# KiCad board SevenSegment.kicad_pcb (continued)
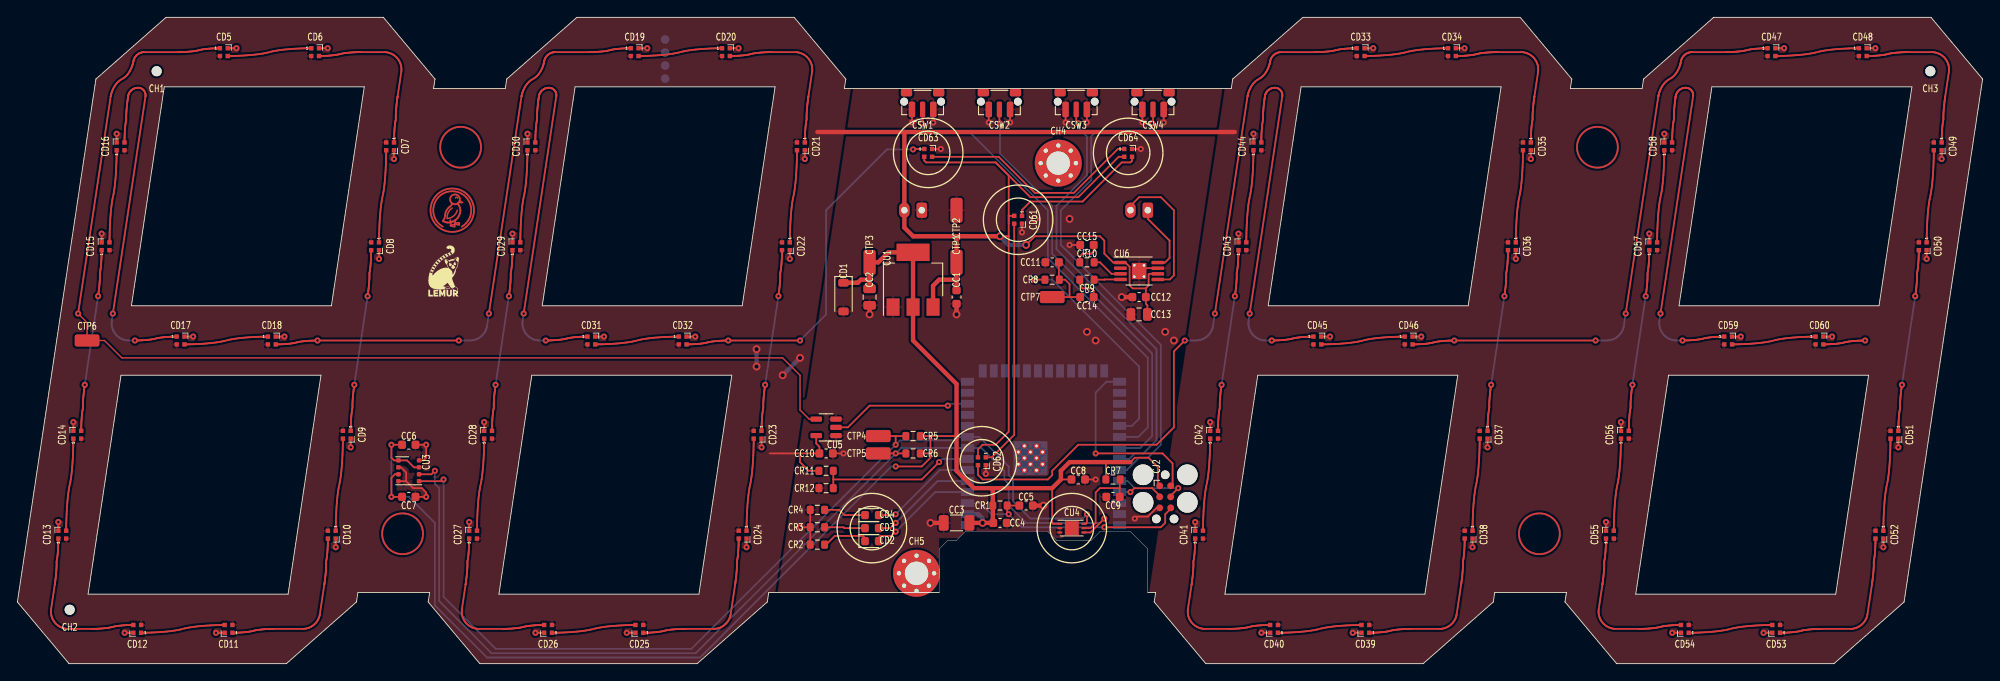
[diagram p0: board, top side]
## Footprints (pads in the part's own frame, mm; a bottom-side part is the same pattern mirrored in y, then rotated)
Bosch_LGA-8_3x3mm_P0.8mm_ClockwisePinNumbering
  rrect 0.5x0.525 smd: 1(-1.2,1.188) 2(-0.4,1.188) 3(0.4,1.188) 4(1.2,1.188) 5(1.2,-1.188) 6(0.4,-1.188) 7(-0.4,-1.188) 8(-1.2,-1.188)
C_0603_1608Metric
  rrect 0.9x0.95 smd: 1(-0.775,0) 2(0.775,0)
C_0805_2012Metric
  rrect 1x1.45 smd: 1(-0.95,0) 2(0.95,0)
C_1206_3216Metric
  rrect 1.15x1.8 smd: 1(-1.475,0) 2(1.475,0)
D_SOD-123
  rrect 0.9x1.2 smd: 1(-1.65,0) 2(1.65,0)
ESP32-S3-WROOM-1
  rect 0.9x0.9 smd: (-2.9,-3.86) (-2.9,-2.46) (-2.9,-1.06) (-1.5,-3.86) (-1.5,-2.46) (-1.5,-1.06) (-0.1,-3.86) (-0.1,-2.46) (-0.1,-1.06)
  rect 1.5x0.9 smd: 1(-8.75,5.26) 2(-8.75,3.99) 3(-8.75,2.72) 4(-8.75,1.45) 5(-8.75,0.18) 6(-8.75,-1.09) 7(-8.75,-2.36) 8(-8.75,-3.63) 9(-8.75,-4.9) 10(-8.75,-6.17) 11(-8.75,-7.44) 12(-8.75,-8.71) 13(-8.75,-9.98) 14(-8.75,-11.25) 27(8.75,-11.25) 28(8.75,-9.98) 29(8.75,-8.71) 30(8.75,-7.44) 31(8.75,-6.17) 32(8.75,-4.9) 33(8.75,-3.63) 34(8.75,-2.36) 35(8.75,-1.09) 36(8.75,0.18) 37(8.75,1.45) 38(8.75,2.72) 39(8.75,3.99) 40(8.75,5.26)
  rect 0.9x1.5 smd: 15(-6.985,-12.5) 16(-5.715,-12.5) 17(-4.445,-12.5) 18(-3.175,-12.5) 19(-1.905,-12.5) 20(-0.635,-12.5) 21(0.635,-12.5) 22(1.905,-12.5) 23(3.175,-12.5) 24(4.445,-12.5) 25(5.715,-12.5) 26(6.985,-12.5)
  round 0.6 hole 0.3: 41(-2.9,-3.16) 41(-2.9,-1.76) 41(-2.2,-3.86) 41(-2.2,-2.46) 41(-2.2,-1.06) 41(-1.5,-3.16) 41(-1.5,-1.76) 41(-0.8,-3.86) 41(-0.8,-2.46) 41(-0.8,-1.06) 41(-0.1,-3.16) 41(-0.1,-1.76)
  rect 3.9x3.9 smd: 41(-1.5,-2.46)
HVSOF6
  rect 0.55x0.25 smd: 1(-1.38,0.5) 2(-1.38,0) 3(-1.38,-0.5) 4(1.38,-0.5) 5(1.38,0) 6(1.38,0.5)
  rect 1.6x1.6 smd: 7(0,0)
JlcToolingHole_1.152mm
  round 1.152 hole 1.152 unplated: (0,0)
JST_PH_B2B-PH-K_1x02_P2.00mm_Vertical
  rrect 1.2x1.75 hole 0.75: 1(0,0)
  oval 1.2x1.75 hole 0.75: 2(2,0)
LED_0603_1608Metric
  rrect 0.875x0.95 smd: 1(-0.787,0) 2(0.787,0)
LED_SK6812_EC15_1.5x1.5mm
  rect 0.5x0.5 smd: 1(-0.45,0.45) 2(-0.45,-0.45) 3(0.45,-0.45) 4(0.45,0.45)
MountingHole_2.7mm_M2.5_Pad_Via
  round 0.8 hole 0.5: 1(-2.025,0) 1(-1.432,1.432) 1(-1.432,-1.432) 1(0,2.025) 1(0,-2.025) 1(1.432,1.432) 1(1.432,-1.432) 1(2.025,0)
  round 5.4 hole 2.7: 1(0,0)
MSOP-8-1EP_3x3mm_P0.65mm_EP1.68x1.88mm_ThermalVias
  rrect 0.7x0.79 smd: (-0.42,0.47) (-0.42,-0.47) (0.42,0.47) (0.42,-0.47)
  rrect 1.45x0.4 smd: 1(-2.15,0.975) 2(-2.15,0.325) 3(-2.15,-0.325) 4(-2.15,-0.975) 5(2.15,-0.975) 6(2.15,-0.325) 7(2.15,0.325) 8(2.15,0.975)
  round 0.5 hole 0.3: 9(-0.55,0.65) 9(-0.55,-0.65) 9(0.55,0.65) 9(0.55,-0.65)
  rect 1.6x1.8 smd far side: 9(0,0)
  rect 1.68x1.88 smd: 9(0,0)
R_0603_1608Metric
  rrect 0.8x0.95 smd: 1(-0.825,0) 2(0.825,0)
SOT-23-5
  rrect 1.325x0.6 smd: 1(-1.137,0.95) 2(-1.137,0) 3(-1.137,-0.95) 4(1.137,-0.95) 5(1.137,0.95)
SOT-223-3_TabPin2
  rect 2x1.5 smd: 1(-3.15,2.3) 2(-3.15,0) 3(-3.15,-2.3)
  rect 2x3.8 smd: 2(3.15,0)
SW_Push_1P1T-MP_NO_Horizontal_Alps_SKRTLAE010
  round 0.9 hole 0.9 unplated: (-2.125,0) (2.125,0)
  rrect 0.75x1.8 smd: 1(-1.225,0.9) 1(1.225,0.9)
  rrect 0.6x1.8 smd: 2(0,0.9)
  rrect 1.3x0.9 smd: MP(-1.85,-1.05) MP(1.85,-1.05)
Tag-Connect_TC2030-IDC-FP_2x03_P1.27mm_Vertical
  round 2.375 hole 2.375 unplated: (-2.54,2.54) (-2.54,-2.54) (0.635,2.54) (0.635,-2.54)
  round 0.991 hole 0.991 unplated: (-2.54,0) (2.54,1.016) (2.54,-1.016)
  round 0.787 smd: 1(-1.27,-0.635) 2(-1.27,0.635) 3(0,-0.635) 4(0,0.635) 5(1.27,-0.635) 6(1.27,0.635)
TestPoint_TE_RCT_0805
  rrect 2.85x1.4 smd: 1(0,0)

## Nets
gnd: CC1.2 CC2.2 CC3.2 CC4.2 CC5.2 CC6.2 CC7.2 CC8.2 CC9.2 CC10.2 CC11.2 CC12.2 CC13.2 CC15.2 CD1.2 CD5.4 CD6.4 CD7.4 CD8.4 CD9.4 CD10.4 CD11.4 CD12.4 CD13.4 CD14.4 CD15.4 CD16.4 CD17.4 CD18.4 CD19.4 CD20.4 CD21.4 CD22.4 CD23.4 CD24.4 CD25.4 CD26.4 CD27.4 CD28.4 CD29.4 CD30.4 CD31.4 CD32.4 CD33.4 CD34.4 CD35.4 CD36.4 CD37.4 CD38.4 CD39.4 CD40.4 CD41.4 CD42.4 CD43.4 CD44.4 CD45.4 CD46.4 CD47.4 CD48.4 CD49.4 CD50.4 CD51.4 CD52.4 CD53.4 CD54.4 CD55.4 CD56.4 CD57.4 CD58.4 CD59.4 CD60.4 CD61.4 CD62.4 CD63.4 CD64.4 CJ1.1 CJ2.5 CR2.2 CR3.2 CR4.2 CR12.2 CSW1.1 CSW2.1 CSW3.1 CSW4.1 CTP2.1 CU1.1 CU2.1 CU2.40 CU2.41 CU3.1 CU3.5 CU3.7 CU4.2 CU4.3 CU5.1 CU5.3 CU6.7 CU6.9
v3v3: CC2.1 CC3.1 CC4.1 CC6.1 CC7.1 CC8.1 CD1.1 CJ2.1 CR1.1 CR5.1 CR6.1 CR7.1 CTP3.1 CU1.2 CU2.2 CU3.2 CU3.6 CU3.8 CU4.1
v5v_sense.output: CR11.2 CR12.1 CU2.7
als.dvi_res.b: CC9.1 CR7.2 CU4.5
center.dout: CD33.1 CD62.3
center.led[0].dout: CD61.3 CD62.1
digit[0].dout: CD18.3 CD19.1
digit[0].led[0].dout: CD5.3 CD6.1
digit[0].led[1].dout: CD6.3 CD7.1
digit[0].led[2].dout: CD7.3 CD8.1
digit[0].led[3].dout: CD8.3 CD9.1
digit[0].led[4].dout: CD9.3 CD10.1
digit[0].led[5].dout: CD10.3 CD11.1
digit[0].led[6].dout: CD11.3 CD12.1
digit[0].led[7].dout: CD12.3 CD13.1
digit[0].led[8].dout: CD13.3 CD14.1
digit[0].led[9].dout: CD14.3 CD15.1
digit[0].led[10].dout: CD15.3 CD16.1
digit[0].led[11].dout: CD16.3 CD17.1
digit[0].led[12].dout: CD17.3 CD18.1
digit[1].dout: CD32.3 CD63.1
digit[1].led[0].dout: CD19.3 CD20.1
digit[1].led[1].dout: CD20.3 CD21.1
digit[1].led[2].dout: CD21.3 CD22.1
digit[1].led[3].dout: CD22.3 CD23.1
digit[1].led[4].dout: CD23.3 CD24.1
digit[1].led[5].dout: CD24.3 CD25.1
digit[1].led[6].dout: CD25.3 CD26.1
digit[1].led[7].dout: CD26.3 CD27.1
digit[1].led[8].dout: CD27.3 CD28.1
digit[1].led[9].dout: CD28.3 CD29.1
digit[1].led[10].dout: CD29.3 CD30.1
digit[1].led[11].dout: CD30.3 CD31.1
digit[1].led[12].dout: CD31.3 CD32.1
digit[2].dout: CD46.3 CD47.1
digit[2].led[0].dout: CD33.3 CD34.1
digit[2].led[1].dout: CD34.3 CD35.1
digit[2].led[2].dout: CD35.3 CD36.1
digit[2].led[3].dout: CD36.3 CD37.1
digit[2].led[4].dout: CD37.3 CD38.1
digit[2].led[5].dout: CD38.3 CD39.1
digit[2].led[6].dout: CD39.3 CD40.1
digit[2].led[7].dout: CD40.3 CD41.1
digit[2].led[8].dout: CD41.3 CD42.1
digit[2].led[9].dout: CD42.3 CD43.1
digit[2].led[10].dout: CD43.3 CD44.1
digit[2].led[11].dout: CD44.3 CD45.1
digit[2].led[12].dout: CD45.3 CD46.1
digit[3].dout: CD60.3
digit[3].led[0].dout: CD47.3 CD48.1
digit[3].led[1].dout: CD48.3 CD49.1
digit[3].led[2].dout: CD49.3 CD50.1
digit[3].led[3].dout: CD50.3 CD51.1
digit[3].led[4].dout: CD51.3 CD52.1
digit[3].led[5].dout: CD52.3 CD53.1
digit[3].led[6].dout: CD53.3 CD54.1
digit[3].led[7].dout: CD54.3 CD55.1
digit[3].led[8].dout: CD55.3 CD56.1
digit[3].led[9].dout: CD56.3 CD57.1
digit[3].led[10].dout: CD57.3 CD58.1
digit[3].led[11].dout: CD58.3 CD59.1
digit[3].led[12].dout: CD59.3 CD60.1
i2c_chain_0.scl: CR5.2 CTP4.1 CU2.9 CU3.4 CU4.6
i2c_chain_0.sda: CR6.2 CTP5.1 CU2.8 CU3.3 CU4.4
ledb.res.a: CD4.1 CR4.1
ledb.signal: CD4.2 CU2.6
ledg.res.a: CD3.1 CR3.1
ledg.signal: CD3.2 CU2.5
ledr.res.a: CD2.1 CR2.1
ledr.signal: CD2.2 CU2.4
mcu.program_boot_node: CJ2.2 CU2.27
mcu.program_en_node: CC5.1 CJ2.6 CR1.2 CU2.3
mcu.program_uart_node.a_tx: CJ2.3 CU2.37
mcu.program_uart_node.b_tx: CJ2.4 CU2.36
meta.dout: CD61.1 CD64.3
meta.led[0].dout: CD63.3 CD64.1
pwr: CC1.1 CC10.1 CC12.1 CC13.1 CD5.2 CD6.2 CD7.2 CD8.2 CD9.2 CD10.2 CD11.2 CD12.2 CD13.2 CD14.2 CD15.2 CD16.2 CD17.2 CD18.2 CD19.2 CD20.2 CD21.2 CD22.2 CD23.2 CD24.2 CD25.2 CD26.2 CD27.2 CD28.2 CD29.2 CD30.2 CD31.2 CD32.2 CD33.2 CD34.2 CD35.2 CD36.2 CD37.2 CD38.2 CD39.2 CD40.2 CD41.2 CD42.2 CD43.2 CD44.2 CD45.2 CD46.2 CD47.2 CD48.2 CD49.2 CD50.2 CD51.2 CD52.2 CD53.2 CD54.2 CD55.2 CD56.2 CD57.2 CD58.2 CD59.2 CD60.2 CD61.2 CD62.2 CD63.2 CD64.2 CJ1.2 CR11.1 CTP1.1 CU1.3 CU5.5 CU6.1 CU6.6
rgb_shift.input: CU2.12 CU5.2
rgb_shift.output: CD5.1 CTP6.1 CU5.4
spk_chain_0: CR8.1 CU2.31
spk_chain_1: CC11.1 CC14.2 CR8.2 CTP7.1
spk_chain_2.a: CJ3.1 CU6.8
spk_chain_2.b: CJ3.2 CU6.5
spk_drv.inn_cap.pos: CC15.1 CR10.1
spk_drv.inn_res.b: CR10.2 CU6.3
spk_drv.inp_cap.pos: CC14.1 CR9.1
spk_drv.inp_res.b: CR9.2 CU6.4
sw[0].out: CSW1.2 CU2.32
sw[1].out: CSW2.2 CU2.33
sw[2].out: CSW3.2 CU2.34
sw[3].out: CSW4.2 CU2.35

Pads without a net: CH4 1; CH5 1; CSW1 MP; CSW2 MP; CSW3 MP; CSW4 MP; CU2 10 11 13 14 15 16 17 18 19 20 21 22 23 24 25 26 28 29 30 38 39; CU4 7; CU6 2

## Via types
v1: diameter 4.9, hole 4.5, Top to Bottom, 4 vias
v2: diameter 0.7, hole 0.3, Top to Bottom, 136 vias
v3: diameter 0.9, hole 0.5, Top to Bottom, 18 vias

## Routing (per net, layer and track width the routed paths; a pad name or vN(x,y) marks a point on that pad's centre or on a via; arc(x,y) is an arc through that point)
gnd: length 103.5
  Top w0.2: CD45.4 v2(150.97,37.65) ; CD7.4 v2(43.32,58.1) ; CSW1.1 v2(105.34,62.3) ; CD60.4 v2(208.72,37.65) ; CD8.4 v2(41.59,46.6) ; CU3.5 44.72,21 ; 44.72,21 45.52,20.2 46.52,20.2 47.02,19.7 v2(47.02,19.2) CC7.2 ; 44.72,21 44.72,22 44.11,22.6 CU3.7 ; CD29.4 v2(56.94,49.5) ; CD59.4 v2(198.22,37.65) ; CD11.4 v2(22.83,3.55) ; 83.86,14.4 v2(83.86,13.4) ; CD20.4 v2(82.94,70.85) ; CD33.4 v2(155.94,70.85) ; 214.61,14.4 v2(214.61,13.4) ; CD9.4 v2(38.34,24.9) ; CR3.2 v2(90.02,15.7) ; CR3.2 CR2.2 ; CR3.2 CR4.2 ; CSW1.1 v2(102.89,62.3) ; CD25.4 v2(70.09,3.55) ; CSW2.1 v2(111.72,62.3) ; 189.42,60 v2(189.42,61) ; CD21.4 v2(90.57,58.1) ; 142.17,60 v2(142.17,61) ; 36.61,14.4 v2(36.61,13.4) ; CC10.2 v2(95.02,24.2) ; CD6.4 v2(35.7,70.85) ; CD63.4 v2(106.2,59.25) ; CD26.4 v2(59.59,3.55) ; CD38.4 v2(167.36,13.4) ; CJ2.5 131.02,17.93 130.01,16.93 128.74,16.93 v2(128.51,16.7) ; CD37.4 v2(169.09,24.9) ; CU6.7 129.34,45.52 ; CD55.4 v2(182.71,16.3) ; CC8.2 v2(124.02,21.2) ; CD43.4 v2(140.44,49.5) ; CD17.4 v2(20.22,37.65) ; CD5.4 v2(25.2,70.85) ; CD61.4 v2(115.55,49.65) ; CD53.4 v2(200.83,3.55) ; CSW3.1 v2(120.56,62.3) ; CD48.4 v2(213.69,70.85) ; 174.07,59.1 v2(174.07,58.1) ; 11.42,60 v2(11.42,61) ; CD30.4 v2(58.67,61) ; CD62.4 v2(111.38,21.85) ; CSW3.1 v2(123.01,62.3) ; CD41.4 v2(135.46,16.3) ; CD22.4 v2(88.84,46.6) ; CD54.4 v2(190.33,3.55) ; CD14.4 v2(6.44,27.8) ; CD40.4 v2(143.09,3.55) ; 131.84,63.8 v2(131.84,62.3) ; 221.32,59.1 v2(221.32,58.1) ; CD19.4 v2(72.44,70.85) ; CC15.2 v2(121.02,48.2) ; CD28.4 v2(53.69,27.8) ; 4.71,15.3 v2(4.71,16.3) ; CD64.4 v2(129.21,59.25) ; CD46.4 v2(161.47,37.65) ; CC6.2 v2(47.02,25.2) 47.02,23.7 46.72,23.4 CU3.1 ; CSW4.1 v2(129.39,62.3) ; CD31.4 v2(67.47,37.65) ; CD32.4 v2(77.97,37.65) ; 216.34,25.9 v2(216.34,24.9) ; CD36.4 v2(172.34,46.6) ; CD34.4 v2(166.44,70.85) ; 9.69,48.5 v2(9.69,49.5) ; CSW2.1 v2(114.17,62.3) ; CD23.4 v2(85.59,24.9) ; CD42.4 v2(137.19,27.8) ; CD12.4 v2(12.33,3.55) ; CD39.4 v2(153.59,3.55) ; 51.96,15.3 v2(51.96,16.3) ; CD47.4 v2(203.19,70.85) ; CD50.4 v2(219.59,46.6) ; CD57.4 v2(187.69,49.5) ; CD56.4 v2(184.44,27.8) ; CD18.4 v2(30.72,37.65)
  Top w0.5: CC1.2 v3(108.02,40.2) ; CC2.2 v3(98.02,40.2) ; CC12.2 v3(127.02,42.2) ; CC5.2 v3(118.02,18.2) ; CC3.2 v3(105.02,16.2)
  vias: v3(117.02,51.2) v3(121.02,51.2) v3(123.02,38.2) v3(124.02,37.2) v3(132.01,38.2) v3(133.01,37.2)
v3v3: length 194.3
  Top w0.2: 105.02,24.2 105.02,23.7 104.02,22.7 v2(101.02,22.7) ; 105.02,24.2 CR6.1 ; 105.02,24.2 105.02,26.2 ; 119.02,20.2 119.02,16.2 119.11,16.1 CU4.1 ; CC6.1 v2(43.02,25.2) 43.02,23.7 43.31,23.4 CU3.8 44.81,23.4 45.61,22.6 CU3.2 ; CR7.1 125.19,23.12 125.27,23.2 ; CJ2.1 131.17,20.68 131.17,22.64 130.1,23.7 128.51,23.7 128.01,23.2 ; 108.02,26.2 105.02,26.2 ; 105.02,26.2 CR5.1 ; CU3.6 43.42,21.8 43.02,21.4 v2(43.02,19.2) CC7.1 ; 120.02,21.2 CC8.1
  Top w0.5: 112.19,20.2 119.02,20.2 120.02,21.2 120.02,22.2 121.02,23.2 128.01,23.2 ; 112.19,20.2 CR1.1 112.19,16.25 ; 112.19,20.2 110.02,20.2 108.02,22.2 108.02,32.2 103.02,37.2 CU1.2 CU1.2 100.17,47.35 99.02,46.2 CTP3.1 98.02,44.2 ; 98.02,44.2 97.02,44.2 96.66,43.85 CD1.1 ; 98.02,44.2 CC2.1 ; CC3.1 CC4.1
  Bottom w0.2: v2(43.02,25.2) v2(43.02,19.2) 45.02,19.2 48.02,16.2 48.02,6.7 54.02,0.7 78.52,0.7 100.52,22.7 v2(101.02,22.7)
  Bottom w0.5: CU2.2 110,17.21 110.02,17.2 110.52,17.2 111.02,16.7 v3(111.02,16.2)
v5v_sense.output: length 18.4
  Top w0.2: v2(106.02,23.2) 104.02,21.2 93.84,21.2 ; CR11.2 93.84,21.2 ; 93.84,21.2 CR12.1
  Bottom w0.2: v2(106.02,23.2) 106.38,23.56 CU2.7
(no net):
  vias: v1(44.3,14.95) v1(50.98,59.45) v1(175.05,14.95) v1(181.73,59.45)
als.dvi_res.b: length 10
  Top w0.2: 126.79,20.2 126.79,21.15 ; 126.79,20.2 124.52,20.2 124.02,19.7 124.02,16.2 123.42,15.6 CU4.5 ; 126.79,20.2 CC9.1
center.dout: length 83.3
  Top w0.2: v2(134.26,37.2) 133.01,35.95 133.01,27.2 131.01,25.2 122.02,25.2 119.02,22.2 119.02,21.7 118.52,21.2 111.02,21.2 110.48,21.73 CD62.3 ; 153.92,70.85 153.82,70.85 153.75,70.85 153.68,70.84 153.6,70.84 153.52,70.84 153.44,70.84 153.34,70.83 153.25,70.83 153.15,70.82 153.05,70.82 152.95,70.81 152.74,70.79 152.63,70.78 152.52,70.77 152.42,70.76 152.31,70.75 152.21,70.73 152.11,70.72 152.01,70.7 151.91,70.69 151.82,70.67 151.73,70.65 151.56,70.6 151.47,70.58 151.38,70.56 151.28,70.55 151.18,70.53 151.08,70.51 150.98,70.5 150.87,70.49 150.77,70.48 150.55,70.46 150.34,70.44 150.24,70.43 150.14,70.43 150.04,70.42 149.95,70.42 149.86,70.41 149.77,70.41 149.69,70.41 149.61,70.41 149.54,70.4 149.42,70.4 149.37,70.4 149.32,70.4 149.29,70.4 145.36,70.4 145.29,70.4 145.23,70.39 145.17,70.39 145.11,70.38 145.05,70.36 144.99,70.35 144.93,70.33 144.87,70.31 144.82,70.28 144.76,70.25 144.71,70.23 144.66,70.19 144.61,70.16 144.56,70.12 144.51,70.09 144.47,70.05 144.43,70 144.39,69.96 144.35,69.91 144.31,69.87 144.28,69.82 144.25,69.76 144.22,69.71 144.19,69.66 144.16,69.6 144.14,69.54 144.12,69.48 144.1,69.42 144.09,69.36 144.08,69.29 144.07,69.26 144.07,69.23 144.06,69.19 144.05,69.15 144.04,69.1 144.02,69.04 144,68.98 143.99,68.91 143.96,68.84 143.94,68.76 143.91,68.69 143.87,68.6 143.84,68.52 143.8,68.43 143.75,68.34 143.71,68.26 143.66,68.17 143.6,68.08 143.54,67.99 143.48,67.9 143.41,67.82 143.33,67.73 143.25,67.65 143.17,67.57 143.08,67.5 142.99,67.43 142.89,67.36 142.67,67.24 142.57,67.17 142.48,67.1 142.39,67.03 142.31,66.95 142.23,66.87 142.15,66.78 142.08,66.7 142.02,66.61 141.96,66.52 141.9,66.43 141.85,66.34 141.81,66.25 141.76,66.17 141.72,66.08 141.69,66 141.65,65.91 141.62,65.84 141.6,65.76 141.57,65.69 141.56,65.62 141.54,65.56 141.52,65.5 141.51,65.45 141.5,65.41 141.49,65.37 141.49,65.34 141.48,65.3 v2(137.73,40.3)
  Bottom w0.2: v2(137.73,40.3) 137.52,38.9 137.5,38.81 137.48,38.71 137.46,38.62 137.43,38.53 137.39,38.44 137.35,38.35 137.31,38.27 137.26,38.18 137.22,38.1 137.16,38.03 137.11,37.95 137.05,37.88 136.98,37.81 136.92,37.75 136.85,37.69 136.78,37.62 136.7,37.57 136.62,37.52 136.55,37.47 136.46,37.42 136.38,37.38 136.29,37.35 136.2,37.31 136.11,37.28 136.02,37.26 135.93,37.24 135.84,37.22 135.74,37.21 135.64,37.2 135.54,37.2 v2(134.26,37.2)
center.led[0].dout: length 28.7
  Top w0.2: CD62.1 112.06,23.75 114.65,26.33 CD61.3
digit[0].dout: length 67.1
  Top w0.2: 29.84,36.75 29.94,36.75 30.01,36.75 30.08,36.76 30.16,36.76 30.24,36.76 30.33,36.76 30.42,36.77 30.51,36.77 30.61,36.78 30.71,36.78 30.81,36.79 31.02,36.81 31.24,36.83 31.34,36.84 31.45,36.85 31.55,36.86 31.65,36.88 31.75,36.9 31.85,36.91 31.94,36.93 32.03,36.95 32.2,37 32.29,37.02 32.38,37.04 32.48,37.05 32.58,37.07 32.68,37.08 32.78,37.1 32.89,37.11 32.99,37.12 33.1,37.13 33.21,37.14 33.42,37.16 33.52,37.17 33.62,37.17 33.72,37.18 33.81,37.18 33.91,37.19 33.99,37.19 34.07,37.19 34.15,37.19 34.22,37.2 34.34,37.2 34.39,37.2 34.44,37.2 34.47,37.2 v2(34.52,37.2) v2(50.77,37.2) ; 70.42,70.85 70.32,70.85 70.25,70.85 70.18,70.84 70.1,70.84 70.02,70.84 69.94,70.84 69.84,70.83 69.75,70.83 69.65,70.82 69.55,70.82 69.45,70.81 69.24,70.79 69.13,70.78 69.02,70.77 68.92,70.76 68.81,70.75 68.71,70.73 68.61,70.72 68.51,70.7 68.41,70.69 68.32,70.67 68.23,70.65 68.06,70.6 67.97,70.58 67.88,70.56 67.78,70.55 67.68,70.53 67.58,70.51 67.48,70.5 67.37,70.49 67.27,70.48 67.05,70.46 66.84,70.44 66.74,70.43 66.64,70.43 66.54,70.42 66.45,70.42 66.36,70.41 66.27,70.41 66.19,70.41 66.11,70.41 66.04,70.4 65.92,70.4 65.87,70.4 65.82,70.4 65.79,70.4 61.86,70.4 61.79,70.4 61.73,70.39 61.67,70.39 61.61,70.38 61.55,70.36 61.49,70.35 61.43,70.33 61.37,70.31 61.32,70.28 61.26,70.25 61.21,70.23 61.16,70.19 61.11,70.16 61.06,70.12 61.01,70.09 60.97,70.05 60.93,70 60.89,69.96 60.85,69.91 60.81,69.87 60.78,69.82 60.74,69.76 60.72,69.71 60.69,69.66 60.66,69.6 60.64,69.54 60.62,69.48 60.61,69.42 60.59,69.36 60.58,69.29 60.57,69.26 60.57,69.23 60.56,69.19 60.55,69.15 60.54,69.1 60.52,69.04 60.51,68.98 60.48,68.91 60.46,68.84 60.44,68.76 60.41,68.69 60.37,68.6 60.34,68.52 60.3,68.43 60.26,68.34 60.21,68.26 60.16,68.17 60.1,68.08 60.04,67.99 59.98,67.9 59.91,67.82 59.83,67.73 59.75,67.65 59.67,67.57 59.58,67.5 59.49,67.43 59.39,67.36 59.17,67.24 59.07,67.17 58.98,67.1 58.89,67.03 58.81,66.95 58.73,66.87 58.65,66.78 58.58,66.7 58.52,66.61 58.46,66.52 58.4,66.43 58.35,66.34 58.3,66.25 58.26,66.17 58.22,66.08 58.19,66 58.15,65.91 58.12,65.84 58.1,65.76 58.08,65.69 58.05,65.62 58.04,65.56 58.02,65.5 58.01,65.45 58,65.41 57.99,65.37 57.99,65.34 57.98,65.3 v2(54.23,40.3)
  Bottom w0.2: v2(50.77,37.2) 52.04,37.2 52.14,37.2 52.24,37.21 52.34,37.22 52.43,37.24 52.52,37.26 52.61,37.28 52.7,37.31 52.79,37.35 52.88,37.38 52.96,37.42 53.05,37.47 53.12,37.52 53.2,37.57 53.28,37.62 53.35,37.69 53.42,37.75 53.48,37.81 53.55,37.88 53.61,37.95 53.66,38.03 53.72,38.1 53.77,38.18 53.81,38.27 53.85,38.35 53.89,38.44 53.93,38.53 53.96,38.62 53.98,38.71 54,38.81 54.02,38.9 v2(54.23,40.3)
digit[0].led[0].dout: length 9.5
  Top w0.2: 24.28,69.95 24.35,69.95 24.44,69.95 24.54,69.95 24.65,69.96 24.78,69.96 24.92,69.96 25.08,69.97 25.24,69.97 25.42,69.98 25.6,69.99 25.79,70 25.98,70.01 26.19,70.02 26.39,70.03 26.6,70.05 26.81,70.06 27.03,70.08 27.24,70.1 27.45,70.13 27.66,70.15 27.87,70.18 28.07,70.21 28.27,70.24 28.46,70.28 28.65,70.32 28.83,70.36 29.16,70.44 29.34,70.48 29.53,70.52 29.72,70.56 29.92,70.59 30.12,70.62 30.33,70.65 30.54,70.67 30.75,70.7 30.97,70.72 31.18,70.74 31.39,70.75 31.6,70.77 31.81,70.78 32.01,70.79 32.2,70.8 32.39,70.81 32.58,70.82 32.75,70.83 32.91,70.83 33.07,70.84 33.21,70.84 33.34,70.84 33.45,70.85 33.55,70.85 33.64,70.85 33.7,70.85
digit[0].led[1].dout: length 18.9
  Top w0.2: 34.82,69.95 34.92,69.95 34.99,69.95 35.06,69.96 35.14,69.96 35.22,69.96 35.31,69.96 35.4,69.97 35.49,69.97 35.59,69.98 35.69,69.98 35.79,69.99 36,70.01 36.11,70.02 36.22,70.03 36.32,70.04 36.43,70.05 36.53,70.06 36.63,70.08 36.73,70.1 36.83,70.11 36.92,70.13 37.01,70.15 37.18,70.2 37.27,70.22 37.36,70.24 37.46,70.25 37.56,70.27 37.66,70.28 37.76,70.3 37.87,70.31 37.97,70.32 38.19,70.34 38.4,70.36 38.5,70.37 38.6,70.37 38.7,70.38 38.79,70.38 38.89,70.39 38.97,70.39 39.05,70.39 39.13,70.39 39.2,70.4 39.32,70.4 39.37,70.4 39.42,70.4 39.45,70.4 42.17,70.4 42.29,70.4 42.41,70.39 42.53,70.37 42.64,70.34 42.76,70.31 42.86,70.28 42.97,70.23 43.07,70.19 43.17,70.13 43.27,70.07 43.36,70.01 43.45,69.94 43.53,69.87 43.61,69.79 43.69,69.7 43.76,69.62 43.82,69.53 43.89,69.43 43.94,69.34 43.99,69.24 44.03,69.13 44.07,69.03 44.11,68.92 44.13,68.81 44.15,68.69 44.17,68.58 44.17,68.46 44.17,68.34 44.17,68.22 44.15,68.1 43.73,65.3 43.72,65.25 43.72,65.21 43.71,65.17 43.7,65.11 43.7,65.05 43.69,64.98 43.67,64.9 43.67,64.82 43.65,64.73 43.64,64.63 43.63,64.53 43.62,64.43 43.61,64.32 43.59,64.21 43.58,64.09 43.57,63.98 43.56,63.86 43.55,63.63 43.54,63.51 43.53,63.39 43.53,63.28 43.52,63.17 43.52,63.05 43.52,62.95 43.52,62.84 43.52,62.74 43.52,62.65 43.5,62.56 43.48,62.46 43.47,62.36 43.45,62.25 43.44,62.14 43.42,62.03 43.41,61.91 43.4,61.8 43.39,61.68 43.37,61.44 43.36,61.33 43.36,61.21 43.34,60.99 43.34,60.88 43.33,60.77 43.33,60.67 43.33,60.58 43.33,60.49 43.32,60.4 43.32,60.32 43.32,60.19 43.32,60.13
digit[0].led[2].dout: length 10.4
  Top w0.2: 41.59,48.6 41.59,48.67 41.59,48.77 41.6,48.88 41.6,49 41.6,49.15 41.6,49.3 41.61,49.47 41.61,49.66 41.62,49.85 41.63,50.05 41.63,50.26 41.64,50.47 41.66,50.7 41.67,50.92 41.68,51.16 41.7,51.39 41.72,51.62 41.73,51.86 41.75,52.09 41.78,52.33 41.8,52.56 41.83,52.78 41.86,53 41.89,53.21 41.93,53.42 41.97,53.61 42.05,53.99 42.08,54.18 42.12,54.39 42.15,54.6 42.18,54.82 42.21,55.04 42.23,55.27 42.25,55.5 42.28,55.74 42.3,55.97 42.31,56.21 42.33,56.44 42.34,56.67 42.36,56.9 42.37,57.13 42.38,57.34 42.38,57.55 42.39,57.75 42.4,57.94 42.4,58.13 42.41,58.3 42.41,58.45 42.41,58.59 42.41,58.72 42.42,58.83 42.42,58.93 42.42,59
digit[0].led[3].dout: length 20.7
  Top w0.2: 40.69,47.47 40.69,47.35 40.69,47.28 40.69,47.2 40.69,47.11 40.68,47.02 40.68,46.93 40.68,46.83 40.67,46.72 40.67,46.61 40.66,46.39 40.65,46.27 40.64,46.16 40.62,45.92 40.61,45.8 40.6,45.69 40.59,45.57 40.57,45.46 40.56,45.35 40.54,45.24 40.53,45.14 40.51,45.04 40.49,44.95 40.49,44.85 40.49,44.76 40.49,44.65 40.49,44.54 40.49,44.43 40.48,44.32 40.48,44.21 40.47,44.09 40.47,43.97 40.45,43.74 40.44,43.62 40.43,43.5 40.42,43.39 40.4,43.28 40.39,43.17 40.38,43.07 40.37,42.97 40.36,42.87 40.34,42.78 40.33,42.7 40.33,42.62 40.31,42.55 40.31,42.49 40.3,42.43 40.29,42.39 40.29,42.35 40.28,42.32 v2(40.28,42.3) ; 38.34,26.93 38.34,27.05 38.34,27.12 38.34,27.2 38.34,27.29 38.35,27.38 38.35,27.47 38.35,27.57 38.36,27.68 38.36,27.79 38.38,28.01 38.38,28.13 38.39,28.24 38.41,28.48 38.42,28.6 38.43,28.71 38.44,28.83 38.46,28.94 38.47,29.05 38.49,29.16 38.5,29.26 38.52,29.36 38.54,29.45 38.54,29.54 38.54,29.64 38.54,29.75 38.54,29.85 38.54,29.97 38.55,30.08 38.55,30.19 38.56,30.31 38.56,30.43 38.58,30.66 38.59,30.78 38.6,30.89 38.61,31.01 38.63,31.12 38.64,31.23 38.65,31.33 38.66,31.43 38.67,31.53 38.69,31.62 38.7,31.7 38.7,31.78 38.72,31.85 38.72,31.91 38.73,31.97 38.74,32.01 38.74,32.05 38.75,32.08 v2(38.75,32.1)
  Bottom w0.2: v2(40.28,42.3) v2(38.75,32.1)
digit[0].led[4].dout: length 10.4
  Top w0.2: 37.44,25.8 37.44,25.73 37.44,25.63 37.43,25.52 37.43,25.39 37.43,25.25 37.43,25.1 37.42,24.93 37.42,24.74 37.41,24.55 37.4,24.35 37.4,24.14 37.39,23.93 37.38,23.7 37.36,23.47 37.35,23.24 37.33,23.01 37.31,22.77 37.3,22.54 37.28,22.3 37.25,22.07 37.23,21.84 37.2,21.62 37.17,21.4 37.14,21.19 37.1,20.98 37.06,20.79 36.98,20.41 36.95,20.22 36.91,20.01 36.88,19.8 36.85,19.58 36.82,19.36 36.8,19.13 36.78,18.89 36.75,18.66 36.73,18.42 36.72,18.19 36.7,17.96 36.69,17.72 36.67,17.5 36.66,17.27 36.65,17.06 36.65,16.85 36.64,16.65 36.63,16.45 36.63,16.27 36.62,16.1 36.62,15.95 36.62,15.8 36.62,15.68 36.61,15.57 36.61,15.47 36.61,15.4
digit[0].led[5].dout: length 19.5
  Top w0.2: 35.71,14.27 35.71,14.15 35.71,14.08 35.71,14 35.7,13.91 35.7,13.82 35.7,13.73 35.7,13.63 35.69,13.52 35.69,13.41 35.67,13.19 35.67,13.07 35.66,12.95 35.64,12.72 35.63,12.6 35.62,12.49 35.61,12.37 35.59,12.26 35.58,12.15 35.56,12.04 35.55,11.94 35.53,11.84 35.51,11.75 35.51,11.66 35.51,11.56 35.51,11.45 35.51,11.34 35.51,11.23 35.5,11.12 35.5,11.01 35.49,10.89 35.48,10.77 35.47,10.54 35.46,10.42 35.45,10.3 35.44,10.19 35.42,10.08 35.41,9.97 35.4,9.87 35.39,9.77 35.38,9.67 35.36,9.58 35.36,9.5 35.34,9.42 35.33,9.35 35.33,9.29 35.32,9.23 35.31,9.19 35.31,9.15 35.3,9.12 35.3,9.1 34.79,5.7 34.77,5.61 34.75,5.51 34.73,5.42 34.7,5.33 34.66,5.24 34.62,5.15 34.58,5.07 34.53,4.98 34.49,4.9 34.43,4.83 34.38,4.75 34.32,4.68 34.25,4.61 34.19,4.55 34.12,4.48 34.05,4.42 33.97,4.37 33.89,4.32 33.81,4.27 33.73,4.22 33.65,4.18 33.56,4.15 33.47,4.11 33.38,4.08 33.29,4.06 33.2,4.04 33.11,4.02 33.01,4.01 32.91,4 32.81,4 29.49,4 29.46,4 29.41,4 29.31,4 29.24,4 29.17,3.99 29.09,3.99 29.01,3.99 28.92,3.99 28.83,3.98 28.74,3.98 28.64,3.97 28.54,3.97 28.44,3.96 28.23,3.94 28.12,3.93 28.01,3.92 27.91,3.91 27.8,3.9 27.7,3.88 27.6,3.87 27.5,3.85 27.4,3.84 27.31,3.82 27.22,3.8 27.05,3.75 26.96,3.73 26.87,3.71 26.77,3.7 26.67,3.68 26.57,3.66 26.47,3.65 26.36,3.64 26.26,3.63 26.04,3.61 25.83,3.59 25.73,3.58 25.63,3.58 25.53,3.57 25.44,3.57 25.34,3.56 25.26,3.56 25.18,3.56 25.1,3.56 25.03,3.55 24.91,3.55 24.86,3.55
digit[0].led[6].dout: length 9.5
  Top w0.2: 23.75,4.45 23.68,4.45 23.59,4.45 23.49,4.45 23.38,4.44 23.25,4.44 23.11,4.44 22.95,4.43 22.79,4.43 22.61,4.42 22.43,4.41 22.24,4.4 22.05,4.39 21.84,4.38 21.64,4.37 21.43,4.35 21.22,4.34 21,4.32 20.79,4.3 20.58,4.27 20.37,4.25 20.16,4.22 19.96,4.19 19.76,4.16 19.57,4.12 19.38,4.08 19.2,4.04 18.87,3.96 18.69,3.92 18.5,3.88 18.31,3.84 18.11,3.81 17.91,3.78 17.7,3.75 17.49,3.73 17.28,3.7 17.06,3.68 16.85,3.66 16.64,3.65 16.43,3.63 16.22,3.62 16.02,3.61 15.83,3.6 15.64,3.59 15.45,3.58 15.28,3.57 15.12,3.57 14.96,3.56 14.82,3.56 14.69,3.56 14.58,3.55 14.48,3.55 14.39,3.55 14.33,3.55
digit[0].led[7].dout: length 18.9
  Top w0.2: 13.21,4.45 13.11,4.45 13.04,4.45 12.97,4.44 12.89,4.44 12.81,4.44 12.72,4.44 12.63,4.43 12.54,4.43 12.44,4.42 12.34,4.42 12.24,4.41 12.03,4.39 11.92,4.38 11.81,4.37 11.71,4.36 11.6,4.35 11.5,4.33 11.4,4.32 11.3,4.3 11.2,4.29 11.11,4.27 11.02,4.25 10.85,4.2 10.76,4.18 10.67,4.16 10.57,4.15 10.47,4.13 10.37,4.11 10.27,4.1 10.16,4.09 10.06,4.08 9.84,4.06 9.63,4.04 9.53,4.03 9.43,4.03 9.33,4.02 9.24,4.02 9.14,4.01 9.06,4.01 8.98,4.01 8.9,4.01 8.83,4 8.71,4 8.66,4 8.61,4 8.58,4 5.86,4 5.74,4 5.62,4.01 5.5,4.03 5.39,4.06 5.27,4.09 5.17,4.12 5.06,4.16 4.96,4.21 4.86,4.27 4.76,4.33 4.67,4.39 4.58,4.46 4.5,4.53 4.42,4.61 4.34,4.69 4.27,4.78 4.21,4.87 4.14,4.97 4.09,5.06 4.04,5.16 4,5.27 3.96,5.37 3.92,5.48 3.9,5.59 3.88,5.71 3.86,5.82 3.86,5.94 3.86,6.06 3.86,6.18 3.88,6.3 4.3,9.1 4.31,9.15 4.31,9.19 4.32,9.23 4.33,9.29 4.33,9.35 4.34,9.42 4.36,9.5 4.36,9.58 4.38,9.67 4.39,9.77 4.4,9.87 4.41,9.97 4.42,10.08 4.44,10.19 4.45,10.3 4.46,10.42 4.47,10.54 4.48,10.77 4.49,10.89 4.5,11.01 4.5,11.12 4.51,11.23 4.51,11.34 4.51,11.45 4.51,11.56 4.51,11.66 4.51,11.75 4.53,11.84 4.55,11.94 4.56,12.04 4.58,12.15 4.59,12.26 4.61,12.37 4.62,12.49 4.63,12.6 4.64,12.72 4.66,12.95 4.67,13.07 4.67,13.19 4.69,13.41 4.69,13.52 4.7,13.63 4.7,13.73 4.7,13.82 4.7,13.91 4.71,14 4.71,14.08 4.71,14.21 4.71,14.27
digit[0].led[8].dout: length 10.4
  Top w0.2: 5.61,15.4 5.61,15.47 5.61,15.57 5.62,15.68 5.62,15.8 5.62,15.95 5.62,16.1 5.63,16.27 5.63,16.45 5.64,16.65 5.65,16.85 5.65,17.06 5.66,17.27 5.67,17.5 5.69,17.72 5.7,17.96 5.72,18.19 5.73,18.42 5.75,18.66 5.78,18.89 5.8,19.13 5.82,19.36 5.85,19.58 5.88,19.8 5.91,20.01 5.95,20.22 5.98,20.41 6.06,20.79 6.1,20.98 6.14,21.19 6.17,21.4 6.2,21.62 6.23,21.84 6.25,22.07 6.28,22.3 6.3,22.54 6.31,22.77 6.33,23.01 6.35,23.24 6.36,23.47 6.38,23.7 6.39,23.93 6.4,24.14 6.4,24.35 6.41,24.55 6.42,24.74 6.42,24.93 6.43,25.1 6.43,25.25 6.43,25.39 6.43,25.52 6.44,25.63 6.44,25.73 6.44,25.8
digit[0].led[9].dout: length 20.7
  Top w0.2: 9.69,47.47 9.69,47.35 9.69,47.28 9.69,47.2 9.69,47.11 9.68,47.02 9.68,46.93 9.68,46.83 9.67,46.72 9.67,46.61 9.66,46.39 9.65,46.27 9.64,46.16 9.62,45.92 9.61,45.8 9.6,45.69 9.59,45.57 9.57,45.46 9.56,45.35 9.54,45.24 9.53,45.14 9.51,45.04 9.49,44.95 9.49,44.85 9.49,44.76 9.49,44.65 9.49,44.54 9.49,44.43 9.48,44.32 9.48,44.21 9.47,44.09 9.47,43.97 9.45,43.74 9.44,43.62 9.43,43.5 9.42,43.39 9.4,43.28 9.39,43.17 9.38,43.07 9.37,42.97 9.36,42.87 9.34,42.78 9.33,42.7 9.33,42.62 9.31,42.55 9.31,42.49 9.3,42.43 9.29,42.39 9.29,42.35 9.28,42.32 v2(9.28,42.3) ; 7.34,26.93 7.34,27.05 7.34,27.12 7.34,27.2 7.34,27.29 7.35,27.38 7.35,27.47 7.35,27.57 7.36,27.68 7.36,27.79 7.38,28.01 7.38,28.13 7.39,28.24 7.41,28.48 7.42,28.6 7.43,28.71 7.44,28.83 7.46,28.94 7.47,29.05 7.49,29.16 7.5,29.26 7.52,29.36 7.54,29.45 7.54,29.54 7.54,29.64 7.54,29.75 7.54,29.85 7.54,29.97 7.55,30.08 7.55,30.19 7.56,30.31 7.56,30.43 7.58,30.66 7.59,30.78 7.6,30.89 7.61,31.01 7.63,31.12 7.64,31.23 7.65,31.33 7.66,31.43 7.67,31.53 7.69,31.62 7.7,31.7 7.7,31.78 7.72,31.85 7.72,31.91 7.73,31.97 7.74,32.01 7.74,32.05 7.75,32.08 v2(7.75,32.1)
  Bottom w0.2: v2(7.75,32.1) v2(9.28,42.3)
digit[0].led[10].dout: length 10.4
  Top w0.2: 11.42,59 11.42,58.93 11.42,58.83 11.41,58.72 11.41,58.59 11.41,58.45 11.41,58.3 11.4,58.13 11.4,57.94 11.39,57.75 11.38,57.55 11.38,57.34 11.37,57.13 11.36,56.9 11.34,56.67 11.33,56.44 11.31,56.21 11.3,55.97 11.28,55.74 11.25,55.5 11.23,55.27 11.21,55.04 11.18,54.82 11.15,54.6 11.12,54.39 11.08,54.18 11.05,53.99 10.97,53.61 10.93,53.42 10.89,53.21 10.86,53 10.83,52.78 10.8,52.56 10.78,52.33 10.75,52.09 10.73,51.86 10.72,51.62 10.7,51.39 10.68,51.16 10.67,50.92 10.66,50.7 10.64,50.47 10.63,50.26 10.63,50.05 10.62,49.85 10.61,49.66 10.61,49.47 10.6,49.3 10.6,49.15 10.6,49 10.6,48.88 10.59,48.77 10.59,48.67 10.59,48.6
